# Altium PCB nixi_tube.PcbDoc (part 2 of 3)
Units mm, origin at the board's own origin, x right, y up, seen from the top; angles counter-clockwise.
Board outline 147 x 65 mm, 2 copper layers (Top Layer, Bottom Layer), stack 1.569 mm thick; 87 components, 111 nets, 363 pads, 194 vias.
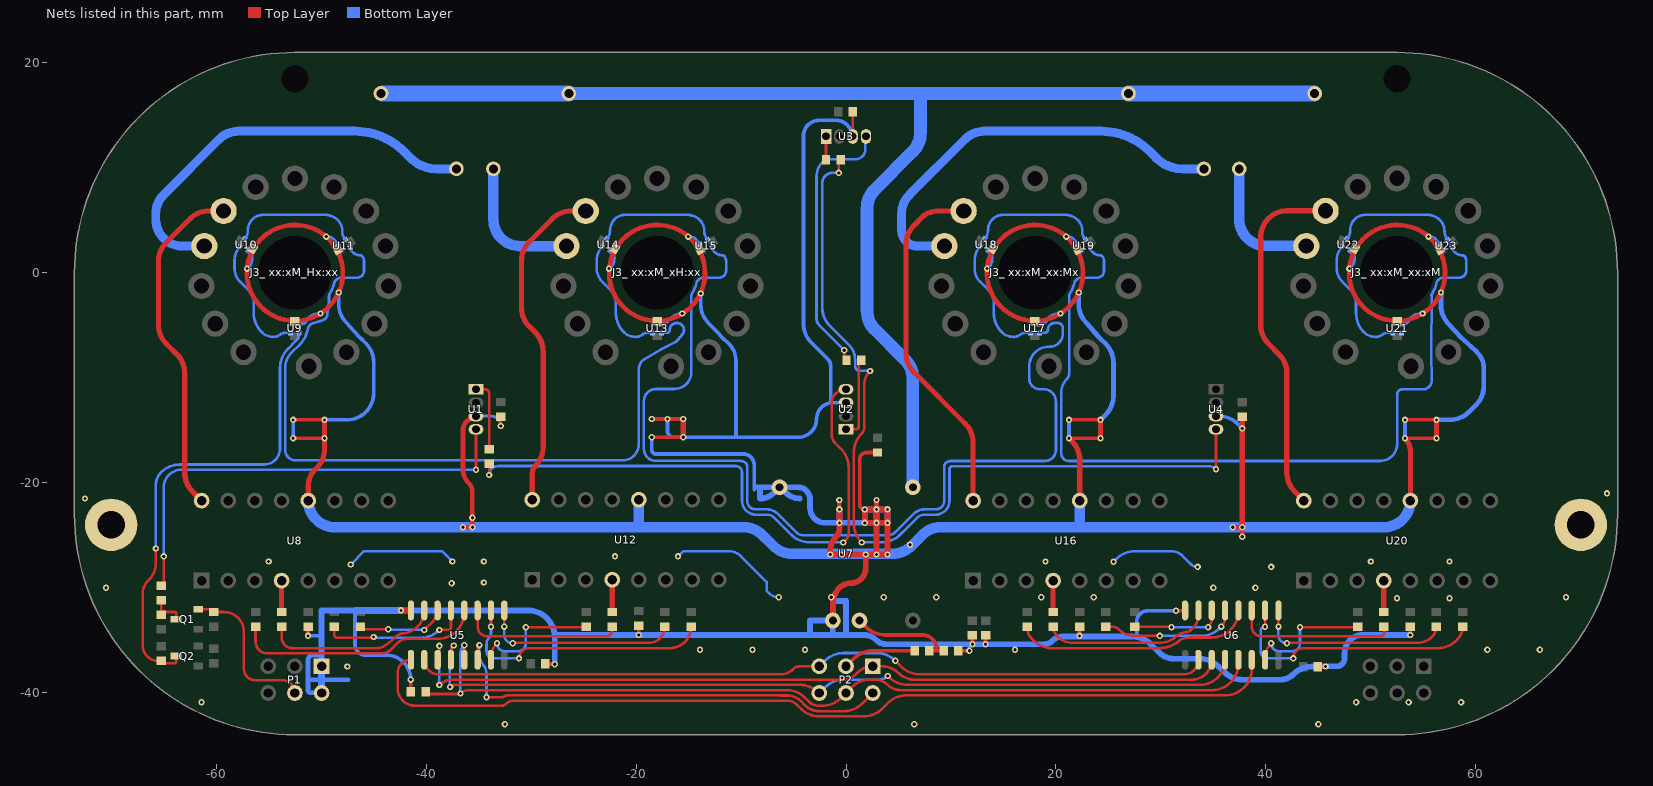
[diagram p2: the nets of this part, all layers, seen from the top]

## Via types
v1: diameter 0.6, hole 0.3, Top Layer to Bottom Layer, 194 vias

## Nets (pads, with @x,y where several pads share a name; then routed paths per layer and width w, separated by ;. In a path a pad name is that pad's centre, name@x,y a point inside that pad or via, vN(x,y) a via of type N, cw(c..) or ccw(c..) an arc to the next point about the centre after c; other vN are vias at no path point) (continued)
D9_Hx:xx: "J3_ xx:xM_Hx:xx.5" U8.16 | length 32.8
  Top Layer w0.5: U8.16@-61.39,-21.69 -62.256,-20.824 cw(c-60.46,-19.028) -63,-19.028 -63,-9.552 ccw(c-65.54,-9.552) -63.744,-7.756 -64.756,-6.744 cw(c-62.96,-4.948) -65.5,-4.948 -65.5,1.1 cw(c-62.96,1.1) -64.756,2.896 -62.491,5.161 cw(c-60.695,3.365) -60.695,5.905 -59.292,5.905
D9_xH:xx: "J3_ xx:xM_xH:xx.5" U12.16 | length 32.2
  Top Layer w0.5: U12.16@-29.89,-21.602 -29.89,-19.094 cw(c-28.879,-19.094) -29.594,-18.38 ccw(c-31.39,-16.584) -29.06,-17.595 ccw(c-31.39,-16.584) -28.85,-16.584 -28.85,-7.483 ccw(c-31.39,-7.483) -29.594,-5.687 -30.169,-5.112 cw(c-28.373,-3.316) -30.913,-3.316 -30.913,1.169 cw(c-28.373,1.169) -30.169,2.965 -27.973,5.161 cw(c-26.177,3.365) -26.177,5.905 -24.792,5.905
D9_xx:Mx: "J3_ xx:xM_xx:Mx.5" U16.16 | length 34.1
  Top Layer w0.5: 11.208,5.905 8.851,5.905 ccw(c8.851,3.365) 7.395,5.446 6.467,4.517 ccw(c8.263,2.721) 5.723,2.721 5.723,-7.671 ccw(c8.263,-7.671) 5.825,-8.383 ccw(c8.263,-7.671) 6.153,-9.085 ccw(c8.263,-7.671) 6.466,-9.466 ccw(c8.263,-7.671) 6.467,-9.467 11.366,-14.366 cw(c9.57,-16.162) 12.11,-16.162 U16.16@12.11,-21.69
D9_xx:xM: "J3_ xx:xM_xx:xM.5" U20.16 | length 34.1
  Top Layer w0.5: U20.16@43.61,-21.69 42.744,-20.824 cw(c44.54,-19.028) 42,-19.028 42,-9.552 ccw(c39.46,-9.552) 41.256,-7.756 40.244,-6.744 cw(c42.04,-4.948) 39.5,-4.948 39.5,3.379 cw(c42.04,3.379) 42.04,5.919 45.692,5.919
D_Hx:xx: R17.1 U8.4 | length 3
  Top Layer w0.5: U8.4@-53.77,-29.31 -53.77,-32.252 ccw(c-53.702,-32.252) R17.1@-53.75,-32.3
D_xH:xx: R12.1 U12.4 | length 3
  Top Layer w0.5: U12.4@-22.27,-29.222 -22.27,-32.163 ccw(c-22.202,-32.163) R12.1@-22.25,-32.212
D_xx:Mx: R25.1 U16.4 | length 3
  Top Layer w0.5: U16.4@19.73,-29.31 19.73,-32.252 ccw(c19.798,-32.252) R25.1@19.75,-32.3
D_xx:xM: R21.1 U20.4 | length 3
  Top Layer w0.5: U20.4@51.23,-29.31 51.23,-32.252 ccw(c51.298,-32.252) R21.1@51.25,-32.3
FRONT_LIGHT_DATA: P1.4 Q1.2 R1.2 | length 14.9
  Top Layer w0.25: Q1.2@-61.713,-32.05 R1.2@-60.5,-32.05 ; R1.2@-60.25,-32.3 -59.267,-32.3 cw(c-59.267,-34.204) -57.362,-34.204 -57.362,-37.777 ccw(c-56.31,-37.736) -56.31,-38.789 -53.731,-38.789 cw(c-53.731,-40.02) P1.4@-52.5,-40.02
GND: C1.2 C2.2 C3.2 C4.2 C5.1 C6.1 C7.1 C8.1 C9.1 C10.1 C11.1 C12.1 C13.1 C14.1 C15.1 C16.1 C17.1 C18.1 C19.1 C20.1 C21.1 C22.1 C23.1 C24.1 P1.1 P1.2 pad.hole@70,-24 pad.hole@-70,-24 R13.2 R26.1 U1.3 U2.3 U3.3 U4.3 U5.8 U6.8 U7.3 U7.4 U8.12 U9.3 U10.3 U11.3 U12.12 U13.3 U14.3 U15.3 U16.12 U17.3 U18.3 U19.3 U20.12 U21.3 U22.3 U23.3 | length 741.8
  Top Layer w0.25: v1(-32.89,-14.584) C1.2@-32.89,-13.693 ; U3.3@0.58,13 ccw(c0.58,13.065) 0.645,13.065 C3.2@0.645,15.365
  Top Layer w0.35: v1(-52.672,-15.75) v1(-49.672,-15.75) ; v1(-52.672,-14) v1(-49.672,-14) ; v1(-51.25,-34.575) C9.1@-51.25,-33.7 ; v1(-41.466,-38.75) cw(c-41.505,-38.789) -41.45,-38.789 R13.2@-41.45,-39.901 ; C5.1@-28.65,-37.25 -27.812,-37.25 cw(c-27.812,-37.338) v1(-27.75,-37.276) ; v1(-19.75,-34.487) C13.1@-19.75,-33.611 ; v1(-18.5,-15.662) v1(-15.5,-15.662) ; v1(-17.005,-13.912) v1(-18.5,-13.912) v1(-15.5,-13.912) ; v1(1.788,-22.532) cw(c1.788,-22.045) 1.3,-22.045 1.3,-17.771 cw(c1.958,-17.771) 1.958,-17.113 C2.2@3,-17.113 ; R26.1@10.7,-36 v1(11.75,-36) ; v1(12.046,-35.371) C8.1@12.046,-34.536 ; v1(13.296,-35.371) C7.1@13.296,-34.536 ; v1(21.25,-15.75) v1(24.25,-15.75) ; v1(21.25,-14) v1(24.25,-14) ; v1(22.25,-34.575) C17.1@22.25,-33.7 ; v1(31.429,-32.19) 32.209,-32.19 ccw(c32.209,-32.053) U6.8@32.305,-32.15 ; C6.1@44.95,-37.5 v1(45.692,-37.5) ; v1(53.25,-15.75) v1(56.25,-15.75) ; v1(53.25,-14) v1(56.25,-14) ; v1(53.75,-34.487) C21.1@53.75,-33.611
  Top Layer w0.45: v1(-36.495,-24.23) v1(-35.595,-24.23) v1(-35.595,-23.33) -35.595,-20.867 ccw(c-36.8,-20.867) -35.948,-20.016 cw(c-34.628,-18.696) -36.495,-18.696 -36.495,-15.021 cw(c-35.245,-15.021) U1.3@-35.245,-13.771 ; v1(-0.631,-22.526) v1(-0.631,-21.626) ; v1(2.912,-22.526) v1(2.912,-21.626) ; v1(36.85,-24.23) v1(37.75,-24.23) v1(37.75,-25.13) ; -48.186,-1.506 ccw(c-52.5,0) -47.931,0 ccw(c-52.5,0) -48.186,-1.506 ; -13.686,-1.506 cw(c-18,0) -13.431,0 cw(c-18,0) -13.686,-1.506 ; 22.314,-1.506 cw(c18,0) 22.569,0 cw(c18,0) 22.314,-1.506 ; 56.814,-1.506 ccw(c52.5,0) 57.069,0 ccw(c52.5,0) 56.814,-1.506
  Top Layer w0.5: U8.12@-51.23,-21.69 -51.23,-20.299 cw(c-49.04,-20.299) -50.589,-18.75 -50.416,-18.577 ccw(c-52.212,-16.781) -49.672,-16.781 v1(-49.672,-15.75) v1(-49.672,-14) ; v1(-15.5,-15.662) v1(-15.5,-13.912) ; v1(21.25,-15.75) 21.526,-16.026 cw(c19.73,-17.822) 22.27,-17.822 U16.12@22.27,-21.69 ; v1(24.25,-15.75) v1(24.25,-14) ; v1(37.75,-24.23) C4.2@37.75,-13.715 ; v1(53.25,-15.75) cw(c51.995,-17.005) 53.77,-17.005 U20.12@53.77,-21.67 ; v1(56.25,-15.75) v1(56.25,-14)
  Top Layer w0.55: v1(-42.385,-32.15) U5.8@-41.445,-32.15 ; U7.3@-1.25,-33.116 -1.25,-31.511 -1.25,-31.508 cw(c0.883,-31.508) -0.625,-30 cw(c0.431,-31.057) 0.431,-29.562 ccw(c0.431,-28.117) 1.877,-28.117 v1(1.877,-26.822) ; v1(-0.631,-22.526) v1(-0.631,-23.81) -0.631,-24.326 cw(c-1.89,-24.326) -1,-25.216 ccw(c0.207,-26.423) -1.5,-26.423 v1(-1.5,-26.822) v1(-0.464,-26.822) v1(1.877,-26.822) ; v1(1.877,-26.822) v1(2.912,-26.822) ; v1(2.912,-26.822) v1(3.948,-26.822) v1(3.948,-23.81) ; v1(2.912,-26.822) v1(2.912,-23.81) ; v1(2.912,-23.81) v1(3.948,-23.81) ; v1(2.912,-23.81) v1(1.788,-23.81) v1(1.788,-22.532) 1.794,-22.526 v1(2.912,-22.526) ; v1(2.912,-23.81) v1(2.912,-22.526) ; v1(2.912,-22.526) v1(3.948,-22.526) v1(3.948,-23.81)
  Bottom Layer w0.25: v1(-47.18,-27.769) -45.911,-26.5 -38.5,-26.5 v1(-37.5,-27.5) ; U1.3@-35.255,-13.628 -33.847,-13.628 cw(c-33.847,-14.584) v1(-32.89,-14.584) ; v1(-16,-27) -15.5,-26.5 -11.196,-26.5 cw(c-11.196,-28.207) -9.989,-27 -7.552,-29.437 -7.552,-30.3 -7.343,-30.51 ccw(c-6.4,-29.567) v1(-6.4,-30.9) ; v1(25.479,-27.522) 25.757,-27.244 cw(c27.553,-29.04) 27.553,-26.5 31,-26.5 cw(c31,-27.949) 32.024,-26.924 32.817,-27.717 ccw(c33.5,-27.034) v1(33.5,-28)
  Bottom Layer w0.3: U13.3@-17.598,-4.868 U13.3@-17.575,-4.868 -17.548,-4.867 U13.3@-17.546,-4.867 ; U13.3@-17.575,-4.868 -17.525,-4.867 -17.524,-4.867 ccw(c-17.575,-3.905) -17.184,-4.785 ccw(c-17.328,-4.466) -17.053,-4.683 cw(c-16.089,-5.438) -16.991,-4.61 cw(c-16.089,-5.438) -16.92,-4.539 ccw(c-17.159,-4.283) -16.913,-4.532 -16.733,-4.351 cw(c-15.571,-5.512) v1@-15.571,-3.87
  Bottom Layer w0.35: v1(-57.051,0.409) -56.998,0.462 ccw(c-57.958,1.423) -56.6,1.423 ccw(c-57.479,1.423) -56.858,2.045 ccw(c-56.978,1.925) U10.3@-56.978,2.094 ; v1@-52.658,-15.674 v1@-52.658,-14 ; U9.3@-52.075,-4.868 -52.025,-4.867 -52.024,-4.867 ccw(c-52.075,-3.905) -51.684,-4.785 ccw(c-51.828,-4.466) -51.553,-4.683 cw(c-50.589,-5.438) -51.491,-4.61 cw(c-50.589,-5.438) -51.42,-4.539 ccw(c-51.659,-4.283) -51.413,-4.532 -51.233,-4.351 cw(c-50.071,-5.512) v1(-50.071,-3.87) ; v1(-51.25,-34.575) -50.173,-34.575 ccw(c-50.173,-34.273) -49.96,-34.487 ; v1(-49.672,-14) -47.54,-14 ccw(c-47.54,-11.46) -45,-11.46 -45,-8.509 ccw(c-47.54,-8.509) -45.744,-6.712 ccw(c-47.54,-8.509) -45.746,-6.711 ccw(c-45.993,-6.958) -45.748,-6.708 -46.255,-6.212 cw(c-44.909,-4.836) -46.388,-6.068 -47.57,-4.76 ccw(c-47.83,-4.995) -47.582,-4.748 -47.584,-4.746 cw(c-45.787,-2.95) -48.327,-2.95 v1(-48.327,-1.862) ; v1(-49.511,3.456) cw(c-49.511,2.484) -48.824,3.171 U11.3@-48.415,2.763 ; -46.769,-32.15 -46.769,-35.423 ccw(c-45.787,-35.423) -45.787,-36.405 -43.812,-36.405 cw(c-43.812,-38.75) v1(-41.466,-38.75) ; v1@-22.551,0.409 -22.498,0.462 ccw(c-23.458,1.423) -22.1,1.423 ccw(c-22.979,1.423) -22.358,2.045 ccw(c-22.478,1.925) U14.3@-22.478,2.094 ; v1(-18.5,-15.662) -18.5,-16.86 ccw(c-18.11,-16.86) -18.11,-17.25 -17.452,-17.25 cw(c-17.453,-17.6) -17.422,-17.251 ccw(c-17.329,-16.25) -17.329,-17.256 -15.708,-17.256 ; v1(-17.005,-13.912) -17.005,-15.058 ccw(c-16.401,-15.058) -16.401,-15.662 v1(-15.5,-15.662) -10.478,-15.662 ; -15.667,-17.258 ccw(c-15.71,-17.606) -15.708,-17.256 ; v1@-15.011,3.456 cw(c-15.011,2.484) -14.324,3.171 U15.3@-13.915,2.763 ; v1(-13.833,-1.953) -13.833,-3.008 ccw(c-11.293,-3.008) -13.089,-4.804 -12.264,-5.629 ; -12.264,-5.63 cw(c-12.511,-5.877) -12.245,-5.65 -11.874,-6.085 ccw(c-10.409,-4.836) -11.666,-6.294 -11.192,-6.703 cw(c-11.42,-6.968) -11.174,-6.719 cw(c-12.846,-8.397) -11.171,-6.722 cw(c-12.846,-8.397) -10.478,-8.397 -10.478,-15.662 ; -8.521,-20.416 ccw(c-8.521,-20.641) -8.746,-20.641 -8.746,-18.303 ccw(c-9.799,-18.303) -9.667,-17.258 -9.667,-17.256 -15.708,-17.256 ; -1.457,-12.384 -1.457,-12.378 ; U2.3@0,-12.365 -1.258,-12.365 ccw(c-1.258,-13.912) -1.457,-12.378 ; U3.3@0.58,13 ccw(c-0.953,13) -0.953,14.533 -2.555,14.533 ccw(c-2.555,13.033) -4.055,13.033 -4.055,-4.833 ccw(c-1.515,-4.833) -3.311,-6.629 -1.756,-8.184 cw(c-2.478,-8.906) -1.457,-8.906 -1.457,-12.378 ; 11.686,-35.371 cw(c11.532,-35.525) 11.75,-35.525 v1(11.75,-36) ; v1(13.449,0.409) 13.502,0.462 ccw(c12.542,1.423) 13.9,1.423 ccw(c13.021,1.423) 13.642,2.045 ccw(c13.522,1.925) U18.3@13.522,2.094 ; U17.3@18.425,-4.868 18.475,-4.867 18.476,-4.867 ccw(c18.425,-3.905) 18.816,-4.785 ccw(c18.672,-4.466) 18.947,-4.683 cw(c19.911,-5.438) 19.009,-4.61 cw(c19.911,-5.438) 19.08,-4.539 ccw(c18.841,-4.283) 19.087,-4.532 19.267,-4.351 cw(c20.429,-5.512) v1(20.429,-3.87) ; v1(20.989,3.456) cw(c20.989,2.484) 21.676,3.171 U19.3@22.085,2.763 ; v1(21.25,-15.75) v1(21.25,-14) v1@21.257,-13.993 ; 27.691,-34.679 27.691,-33.246 cw(c28.746,-33.246) 28,-32.5 cw(c28.748,-33.248) 28.748,-32.19 v1(31.429,-32.19) ; U4.3@35.25,-13.65 35.536,-13.65 cw(c35.536,-16.19) 37.332,-14.394 v1(37.75,-14.812) ; v1(47.956,0.409) 48.009,0.462 ccw(c47.048,1.423) 48.406,1.423 ccw(c47.527,1.423) 48.149,2.045 ccw(c48.029,1.925) U22.3@48.029,2.094 ; U21.3@52.931,-4.868 52.981,-4.867 52.983,-4.867 ccw(c52.931,-3.905) 53.322,-4.785 ccw(c53.179,-4.466) 53.453,-4.683 cw(c54.418,-5.438) 53.515,-4.61 cw(c54.418,-5.438) 53.586,-4.539 ccw(c53.347,-4.283) 53.594,-4.532 53.774,-4.351 cw(c54.935,-5.512) v1(54.935,-3.87) ; v1(53.25,-15.75) v1(53.25,-14) v1@53.257,-13.993 ; v1(55.495,3.456) cw(c55.495,2.484) 56.182,3.171 U23.3@56.591,2.763 ; -10.478,-15.662 -4.555,-15.662 ccw(c-4.555,-13.912) -2.805,-13.912 cw(c-1.258,-13.912) -1.457,-12.378
  Bottom Layer w0.45: P1.2@-49.96,-40.02 ccw(c-49.98,-40.02) -49.98,-40 -51,-40 cw(c-51,-39.75) -51.25,-39.75 -51.25,-38.75 ; -49.96,-36.085 cw(c-50.28,-36.085) -50.28,-36.405 -50.75,-36.405 ccw(c-50.75,-36.905) -51.25,-36.905 -51.25,-38.75 ; -47.42,-38.75 -49.96,-38.75 -51.25,-38.75 ; v1(22.173,-1.862) 22.173,-2.973 ccw(c24.713,-2.973) 22.916,-4.769 cw(c22.598,-5.086) 22.937,-4.791 24.064,-6.089 ccw(c25.591,-4.836) 24.212,-6.25 24.729,-6.754 cw(c24.415,-7.077) 24.733,-6.758 cw(c22.939,-8.556) 24.735,-6.76 cw(c22.939,-8.556) 25.479,-8.556 25.479,-11.719 cw(c22.939,-11.719) 24.735,-13.515 v1(24.25,-14) ; v1(56.25,-14) 57.529,-14 ccw(c57.529,-11.46) 59.326,-13.256 60.074,-12.507 ccw(c58.444,-10.876) 60.75,-10.876 60.75,-9 ccw(c58.814,-9) 60.183,-7.631 60.074,-7.522 58.727,-6.266 cw(c60.074,-4.822) 58.628,-6.167 57.434,-4.882 ccw(c57.104,-5.188) 57.423,-4.871 cw(c59.219,-3.075) 56.679,-3.075 v1(56.679,-1.862)
  Bottom Layer w0.55: P1.1@-49.96,-37.48 -49.96,-34.487 -49.96,-32.15 -46.769,-32.15 ; v1(-42.385,-32.15) -30.29,-32.15 cw(c-30.29,-34.69) -27.75,-34.69 ; v1(-27.75,-37.276) -27.75,-34.69 ; -8.521,-20.416 -8.14,-20.416 ; U7.4@-6.605,-20.641 U7.4@-6.555,-20.641 ; U7.4@-6.33,-20.641 U7.4@-6.555,-20.641 ; U7.4@-6.047,-20.629 -5.744,-20.931 ccw(c-4.402,-19.589) -4.402,-21.487 ; U7.3@-1.258,-33.125 -1.258,-34.487 ; v1(-0.631,-22.526) v1(-0.631,-23.81) ; v1(2.912,-22.526) v1@2.912,-22.532 ; v1(53.75,-34.487) 49.23,-34.487 ccw(c49.23,-36.217) 47.5,-36.217 47.5,-36.717 cw(c46.737,-36.717) 46.737,-37.48 44.455,-37.48 ccw(c44.455,-37.548) 44.406,-37.5 ccw(c44.406,-40.04) 42.61,-38.244 42.604,-38.25 cw(c41.397,-37.043) 41.397,-38.75 37.802,-38.75 cw(c37.802,-36.21) 36.006,-38.006 35.494,-37.494 ccw(c33.698,-39.29) 33.698,-36.75 31.194,-36.75 cw(c31.194,-34.906) 29.89,-36.21 29.068,-35.388 ccw(c27.272,-37.184) 27.691,-34.679 ccw(c27.272,-37.184) 27.272,-34.644 20.588,-34.644 ccw(c20.588,-35.858) 19.73,-35 cw(c18.834,-34.104) 18.834,-35.371 v1(13.296,-35.371) v1(12.046,-35.371) 11.686,-35.371 3.809,-35.371 cw(c3.809,-34.104) 2.912,-35 ccw(c1.673,-36.239) 1.673,-34.487 0,-34.487 ; -27.75,-34.69 cw(c-27.547,-34.69) -27.547,-34.487 v1(-19.75,-34.487) -3.422,-34.487 ; -8.14,-20.416 ccw(c-7.994,-20.562) -8.2,-20.562 -8.2,-21.5 ccw(c-8.2,-19.602) -6.858,-20.944 U7.4@-6.555,-20.641 ; -8.14,-20.416 U7.4@-6.33,-20.416 ; U7.4@-6.555,-20.641 U7.4@-6.33,-20.416 ; U7.4@-6.33,-20.416 -4.59,-20.416 cw(c-4.59,-21.584) -3.422,-21.584 -3.422,-22.388 ccw(c-2,-22.388) -2,-23.81 v1(-0.631,-23.81) ; -3.422,-34.487 -1.258,-34.487 ; -3.422,-34.487 -3.422,-33.116 U7.3@-1.25,-33.116 ccw(c-1.318,-33.048) -1.222,-33.048 -1.222,-31.25 0.015,-31.25 ccw(c0.052,-31.287) 0,-31.287 0,-34.487 ; -1.258,-34.487 0,-34.487 ; v1(-0.631,-23.81) v1(1.788,-23.81) ; v1(1.788,-23.81) v1(1.788,-22.532) v1@2.912,-22.532 ; v1(1.788,-23.81) v1(2.912,-23.81) ; v1(2.912,-23.81) v1@2.912,-22.532 ; v1(2.912,-23.81) v1(3.948,-23.81) v1(3.948,-22.526) 3.941,-22.532 v1@2.912,-22.532
  Bottom Layer w0.65: P1.2@-49.96,-40.02 -49.96,-38.75 P1.1@-49.96,-37.48 ; -46.769,-32.15 v1(-42.385,-32.15)
  Bottom Layer w1: U8.12@-51.23,-21.67 U8.12@-51.23,-21.69 ccw(c-48.69,-21.69) -48.69,-24.23 v1(-36.495,-24.23) v1(-35.595,-24.23) -19.73,-24.23 ; U12.12@-19.73,-21.758 -19.73,-24.23 ; U16.12@22.27,-21.67 U16.12@22.27,-21.69 22.27,-24.23 ; U20.12@53.77,-21.67 U20.12@53.77,-21.69 cw(c51.23,-21.69) 51.23,-24.23 v1(37.75,-24.23) v1(36.85,-24.23) 22.27,-24.23 ; -19.73,-24.23 -9.749,-24.23 cw(c-9.749,-26.77) -7.953,-24.974 -7.232,-25.696 ; -7.232,-25.696 -7.225,-25.702 ; -7.232,-25.696 -7.23,-25.697 ccw(c-5.341,-23.81) -7.225,-25.702 ; -7.225,-25.702 -6.901,-26.026 ccw(c-5.105,-24.23) -5.105,-26.77 4.405,-26.77 ccw(c4.405,-24.23) 6.201,-26.026 7.253,-24.974 cw(c9.05,-26.77) 9.05,-24.23 22.27,-24.23
  other v1: -32.5,-43 6.5,-43 45,-43 -61.4,-40.9 48.6,-40.9 53.6,-40.9 58.6,-40.9 -47.5,-37.5 -13.9,-35.9 -8.9,-35.9 -3.9,-35.9 16.1,-35.9 61.1,-35.9 66.1,-35.9 52.5,-31 57.5,-31 -1.4,-30.9 3.6,-30.9 8.6,-30.9 18.6,-30.9 23.6,-30.9 68.6,-30.9 -70.5,-30 35,-30 39,-30 -37.572,-29.561 -34.5,-29.5 40.5,-28 -55,-27.5 -34.5,-27.5 19,-27.5 50,-27.5 57.5,-27.5 -22,-27 6.1,-25.9 -72.5,-21.5 72.5,-21 -15.594,-3.87 -22.573,0.409 -15.034,3.456
HV: R27.2 R28.2 R29.2 R30.2 U7.5 | length 129.7
  Bottom Layer w1.2: R28.2@-26.408,17.092 7.095,17.092 ; U7.5@6.37,-20.416 6.37,-10.067 ccw(c3.83,-10.067) 5.626,-8.271 2.648,-5.293 cw(c4.54,-3.598) 2,-3.598 2,6.142 cw(c4.54,6.142) 2.744,7.938 6.351,11.545 ccw(c4.555,13.342) 7.095,13.342 7.095,17.092 ; R29.2@26.908,17.092 7.095,17.092
  Bottom Layer w1.5: R27.2@-44.147,17.092 R28.2@-26.408,17.092 ; R29.2@26.908,17.092 R30.2@44.592,17.092
HV_ENABLE: R26.2 R31.1 U7.2 | length 10.1
  Top Layer w0.35: U7.2@1.29,-33.116 1.916,-33.743 ccw(c3.712,-31.947) 3.712,-34.487 7.251,-34.487 cw(c7.251,-35.899) 8.25,-34.9 cw(c7.345,-35.805) 8.625,-35.805 8.625,-36 ; R31.1@7.95,-36 8.625,-36 ; R26.2@9.3,-36 8.625,-36
LED_DATA_OUT_Hx:xx: U11.2 U13.4 | length 75.6
  Bottom Layer w0.25: U11.2@-47.254,2.452 ccw(c-46.769,2.452) -47.112,2.109 -46.918,1.915 ccw(c-46.4,2.433) -46.4,1.7 -46.341,1.7 cw(c-46.341,1.359) -46.1,1.6 cw(c-46.532,1.168) -45.921,1.168 -45.921,0.2 cw(c-46.574,0.2) -46.574,-0.453 -48.047,-0.453 ccw(c-48.047,-1.232) -48.333,-0.508 ccw(c-48.047,-1.232) -48.687,-0.788 ccw(c-48.481,-0.93) -48.724,-0.872 cw(c-52.5,0) -48.826,-1.232 cw(c-52.5,0) -48.943,-1.537 ccw(c-48.713,-1.635) -48.947,-1.546 cw(c-52.523,0.014) -49.208,-2.044 ccw(c-48.995,-2.175) -49.243,-2.14 ccw(c-48.436,-2.25) -49.25,-2.25 -49.25,-2.709 cw(c-49.5,-2.709) -49.252,-2.74 -49.401,-3.953 cw(c-50.071,-3.87) -49.856,-4.51 -50.071,-4.583 -50.779,-4.79 ccw(c-50.589,-5.438) -51.232,-5.234 -51.493,-6.056 cw(c-51.85,-5.943) -51.543,-6.159 -51.854,-6.601 cw(c-53.111,-5.718) -51.922,-6.691 cw(c-53.111,-5.718) -52.026,-6.805 -52.824,-7.603 ccw(c-51.382,-9.046) -53.422,-9.046 -53.422,-16.878 ccw(c-52.441,-16.878) -52.441,-17.859 -21.272,-17.859 ccw(c-21.272,-16.336) -19.75,-16.336 -19.75,-9.226 cw(c-18.486,-9.224) -19.38,-8.33 -17.627,-7.289 cw(c-16.67,-8.901) -17.507,-7.223 -16.288,-6.616 ccw(c-16.534,-6.123) -16.145,-6.512 -16.068,-6.436 ccw(c-16.456,-6.046) -16.035,-6.399 -15.594,-5.872 ccw(c-16.111,-5.438) -16.033,-4.768 -16.058,-4.765 cw(c-16.057,-4.515) -16.07,-4.764 ccw(c-16.111,-5.438) -16.738,-5.187 ccw(c-16.111,-5.438) -16.766,-5.275 ccw(c-16.111,-5.438) -16.786,-5.445 cw(c-17.036,-5.447) -16.845,-5.608 cw(c-17.11,-5.344) -17.11,-5.718 U13.4@-17.575,-5.718 U13.4@-17.598,-5.718
LED_DATA_OUT_xH:xx: U15.2 U17.4 | length 94.1
  Bottom Layer w0.25: -14.75,-2.25 cw(c-13.936,-2.25) -14.743,-2.14 cw(c-14.495,-2.175) -14.708,-2.044 ccw(c-18.023,0.014) -14.447,-1.546 cw(c-14.213,-1.635) -14.443,-1.537 ccw(c-18,0) -14.326,-1.232 ccw(c-18,0) -14.224,-0.872 cw(c-13.981,-0.93) -14.187,-0.788 cw(c-13.547,-1.232) -13.833,-0.508 cw(c-13.547,-1.232) -13.547,-0.453 -12.074,-0.453 ccw(c-12.074,0.2) -11.421,0.2 -11.421,1.168 ccw(c-12.032,1.168) -11.6,1.6 ccw(c-11.841,1.359) -11.841,1.7 -11.9,1.7 cw(c-11.9,2.433) -12.418,1.915 -12.612,2.109 cw(c-12.269,2.452) U15.2@-12.754,2.452 ; -14.744,-2.323 -14.744,-9.441 cw(c-16.358,-9.441) -16.358,-11.054 -18.11,-11.054 ccw(c-18.11,-12.194) -19.25,-12.194 -19.25,-16.778 ccw(c-18.128,-16.778) -18.128,-17.9 -10.478,-17.9 cw(c-10.478,-18.4) -10.457,-17.9 -9.989,-17.918 cw(c-9.989,-18.5) -9.407,-18.5 -9.407,-21.716 ccw(c-8.597,-21.716) -8.597,-22.526 -7.552,-22.526 cw(c-7.552,-24.062) -6.466,-22.976 -4.754,-24.688 ccw(c-4,-23.933) -4,-25 3.948,-25 ccw(c3.948,-23.933) 4.702,-24.688 6.414,-22.976 ; 6.414,-22.976 cw(c7.5,-24.062) 7.5,-22.526 8.545,-22.526 ccw(c8.545,-21.716) 9.355,-21.716 9.355,-18.5 cw(c9.937,-18.5) 9.937,-17.918 18.961,-17.918 ccw(c18.961,-16.879) 20,-16.879 20,-12.266 ccw(c18.804,-12.266) 18.804,-11.07 18.451,-11.07 cw(c18.451,-10.087) 17.467,-10.087 17.455,-8.921 cw(c19.33,-8.901) 19.383,-7.027 cw(c19.33,-8.901) 19.385,-7.027 ccw(c19.396,-5.763) 20.66,-5.763 20.66,-5.279 ccw(c20.146,-5.279) 20.146,-4.765 19.964,-4.765 cw(c19.965,-4.515) 19.952,-4.764 ccw(c19.911,-5.438) 19.285,-5.187 ccw(c19.911,-5.438) 19.256,-5.275 ccw(c19.911,-5.438) 19.236,-5.445 cw(c18.986,-5.447) 19.177,-5.608 cw(c18.913,-5.344) 18.913,-5.718 U17.4@18.425,-5.718
LED_DATA_OUT_xx:Mx: U19.2 U23.2 | length 80.9
  Bottom Layer w0.25: U19.2@23.246,2.452 ccw(c23.731,2.452) 23.388,2.109 23.582,1.915 ccw(c24.1,2.433) 24.1,1.7 24.159,1.7 cw(c24.159,1.359) 24.4,1.6 cw(c23.968,1.168) 24.579,1.168 24.579,0.2 cw(c23.926,0.2) 23.926,-0.453 22.453,-0.453 ccw(c22.453,-1.232) 22.167,-0.508 ccw(c22.453,-1.232) 21.813,-0.788 ccw(c22.019,-0.93) 21.776,-0.872 cw(c18,0) 21.674,-1.232 cw(c18,0) 21.557,-1.537 ccw(c21.787,-1.635) 21.553,-1.546 cw(c17.977,0.014) 21.292,-2.044 ccw(c21.505,-2.175) 21.257,-2.14 21.257,-9.61 cw(c20.579,-9.61) 21.059,-10.09 ccw(c22.407,-11.438) 20.5,-11.438 20.5,-17.168 ccw(c21.25,-17.168) 21.25,-17.918 50.881,-17.918 ccw(c50.881,-16.299) 52.5,-16.299 52.5,-11.578 cw(c52.983,-11.578) 52.983,-11.095 54.953,-11.095 ccw(c54.953,-10.25) 55.798,-10.25 ccw(c55.548,-10.25) 55.798,-10.247 55.761,-7.557 cw(c57.386,-7.534) 55.761,-7.522 55.798,-2.268 ; 55.798,-2.268 55.798,-2.174 ccw(c55.764,-2.174) 55.764,-2.14 cw(c56.012,-2.175) 55.798,-2.044 ccw(c52.484,0.014) 56.06,-1.546 cw(c56.294,-1.635) 56.064,-1.537 ccw(c52.506,0) 56.18,-1.232 ccw(c52.506,0) 56.282,-0.872 cw(c56.525,-0.93) 56.319,-0.788 cw(c56.959,-1.232) 56.674,-0.508 cw(c56.959,-1.232) 56.959,-0.453 58.432,-0.453 ccw(c58.432,0.2) 59.086,0.2 59.086,1.168 ccw(c58.474,1.168) 58.906,1.6 ccw(c58.665,1.359) 58.665,1.7 58.606,1.7 cw(c58.606,2.433) 58.088,1.915 57.894,2.109 cw(c58.237,2.452) U23.2@57.752,2.452
"NetJ3_ xx:xM_Hx:xx_4": "J3_ xx:xM_Hx:xx.4" R27.1 | length 40.1
  Bottom Layer w0.85: -61.129,2.556 -63.216,2.556 cw(c-63.216,5.096) -65.756,5.096 -65.756,5.64 cw(c-63.216,5.64) -65.012,7.436 -59.692,12.756 cw(c-57.896,10.96) -57.896,13.5 -46.764,13.5 cw(c-46.764,6.923) -42.114,11.574 -41.503,10.963 ccw(c-38.96,13.5) -38.96,9.908 -38.958,9.908 R27.1@-36.963,9.908
"NetJ3_ xx:xM_xH:xx_4": "J3_ xx:xM_xH:xx.4" R28.1 | length 13.2
  Bottom Layer w1: R28.1@-33.592,9.908 -33.592,5.096 ccw(c-31.052,5.096) -31.052,2.556 -26.629,2.556
"NetJ3_ xx:xM_xx:Mx_4": "J3_ xx:xM_xx:Mx.4" R29.1 | length 40
  Bottom Layer w0.85: 9.371,2.556 6.817,2.556 cw(c6.817,4.074) 5.299,4.074 5.299,5.64 cw(c7.839,5.64) 6.043,7.436 11.363,12.756 cw(c13.159,10.96) 13.159,13.5 24.291,13.5 cw(c24.291,6.923) 28.941,11.574 29.552,10.963 ccw(c32.095,13.5) 32.095,9.908 32.097,9.908 R29.1@34.092,9.908
"NetJ3_ xx:xM_xx:xM_4": "J3_ xx:xM_xx:xM.4" R30.1 | length 12.6
  Bottom Layer w1: R30.1@37.463,9.908 37.463,5.11 ccw(c40.003,5.11) 40.003,2.57 43.855,2.57
NetP2_3: P2.3 R31.2 | length 7.1
  Top Layer w0.35: P2.3@0,-37.48 0.736,-36.744 cw(c2.532,-38.54) 2.532,-36 R31.2@6.55,-36
NetQ1_3: Q1.3 R2.2 R6.2 | length 3.2
  Top Layer w0.25: R2.2@-65.3,-32.5 cw(c-65.3,-32.55) R2.2@-65.25,-32.55 R6.2@-65.25,-31.2 ; R2.2@-65,-32.3 -64,-32.3 cw(c-64,-32.513) -63.788,-32.513 Q1.3@-63.788,-33
NetQ2_3: Q2.3 R8.2 U9.4 | length 45.8
  Top Layer w0.25: v1(-65.75,-26.25) -65.75,-27.693 cw(c-67.894,-27.693) -65.844,-28.322 cw(c-67.894,-27.693) -66.076,-28.829 cw(c-67.894,-27.693) -66.377,-29.208 cw(c-67.894,-27.693) -66.378,-29.209 -66.506,-29.337 ccw(c-65.314,-30.53) -67,-30.53 -67,-35.497 ccw(c-65.547,-35.497) -66.71,-36.368 ccw(c-65.547,-35.497) -65.547,-36.95 R8.2@-65.25,-36.95 ccw(c-65,-36.95) -65,-37.2 -64,-37.2 ccw(c-64,-36.987) -63.788,-36.987 Q2.3@-63.788,-36.5
  Bottom Layer w0.25: v1(-65.75,-26.25) -65.75,-20.207 cw(c-64.043,-20.207) -65.25,-19 -65.235,-18.985 cw(c-63.46,-20.761) -63.46,-18.25 -55.422,-18.25 ccw(c-55.422,-16.75) -53.94,-16.985 ccw(c-55.422,-16.75) -53.922,-16.75 -53.922,-9.046 cw(c-51.382,-9.046) -53.178,-7.25 -52.378,-6.451 ccw(c-53.111,-5.718) U9.4@-52.075,-5.718
NetR3_1: R3.1 U1.1 | length 6.8
  Top Layer w0.25: U1.1@-35.255,-11.088 -34.378,-11.088 cw(c-34.378,-11.466) -34,-11.466 R3.1@-34,-16.793
NetR3_2: R3.2 U2.4 | length 56.1
  Top Layer w0.25: v1(-34,-19.25) R3.2@-34,-18.193 ; v1(-0.263,-25.675) -0.006,-25.419 ; -0.006,-25.418 ccw(c-0.625,-24.8) 0.25,-24.8 0.25,-18.548 ccw(c-2.29,-18.548) -0.494,-16.752 -1,-16.246 cw(c-0.095,-15.341) -1.375,-15.341 -1.375,-12.259 cw(c-1.125,-12.26) -1.371,-12.214 -1.37,-12.212 cw(c0,-12.494) -0.17,-11.105 ccw(c-0.202,-10.857) -0.124,-11.095 U2.4@0,-11.095
  Bottom Layer w0.25: v1(-34,-19.25) cw(c-33.15,-19.25) -33.15,-18.4 -10.478,-18.4 ; -10.478,-18.418 cw(c-10.478,-18.989) -9.907,-18.989 -9.907,-21.716 ccw(c-8.597,-21.716) -8.597,-23.026 -7.552,-23.026 cw(c-7.552,-24.062) -6.818,-23.331 -5.651,-24.498 -5.218,-24.931 -5.216,-24.933 -5.181,-24.968 -5.11,-25.039 ccw(c-4,-23.933) -5.107,-25.042 ccw(c-4,-23.933) -4.653,-25.357 cw(c-4.757,-25.585) -4.651,-25.358 cw(c-4.757,-25.585) -4.638,-25.365 ccw(c-3.422,-23.135) -3.422,-25.675 v1(-0.263,-25.675)
NetR4_1: R4.1 U2.1 | length 7.8
  Top Layer w0.25: U2.1@0,-14.905 0.931,-14.905 ccw(c0.931,-14.604) 1.231,-14.604 1.231,-8.557 R4.1@1.45,-8.338
NetR4_2: R4.2 U3.4 | length 26.1
  Top Layer w0.25: v1(-0.16,-7.375) -0.16,-8.128 ccw(c0.05,-8.128) R4.2@0.05,-8.338
  Bottom Layer w0.25: -2.805,-4.387 ccw(c-1.978,-4.387) -2.561,-4.973 v1(-0.16,-7.375) ; -2.805,-4.386 -2.805,9.199 cw(c-0.91,9.199) -2.299,10.488 cw(c-0.91,9.199) -2.25,10.539 cw(c-1.555,9.82) -1.555,10.82 0.884,10.82 ccw(c0.884,11.787) 1.85,11.787 U3.4@1.85,13
NetR5_1: R5.1 U3.1 | length 2.2
  Top Layer w0.25: U3.1@-1.96,13 cw(c-2.096,12.864) -1.915,12.93 cw(c-2.096,12.864) -1.904,12.864 R5.1@-1.904,10.783
NetR5_2: R5.2 U4.4 | length 83.1
  Top Layer w0.25: v1(-0.69,9.533) -0.69,10.334 cw(c-0.054,10.334) R5.2@-0.504,10.783 ; v1(1.504,-25.675) 1.494,-25.665 cw(c3.29,-23.869) 0.75,-23.869 0.75,-17.106 cw(c3.29,-17.106) 1.494,-15.31 1.498,-15.306 ccw(c0.91,-14.718) 1.741,-14.736 1.741,-10.678 cw(c3.636,-10.678) v1(2.296,-9.338) ; v1(35.25,-18.707) U4.4@35.25,-14.92
  Bottom Layer w0.25: v1(-0.69,9.533) -1.29,9.533 ccw(c-1.29,8.575) -2.249,8.575 -2.249,-3.358 ccw(c0.1,-3.358) -1.561,-5.019 0.29,-6.87 cw(c-1.101,-8.261) 0.305,-6.886 ccw(c0.483,-6.71) 0.309,-6.889 cw(c-0.16,-7.375) 0.316,-6.897 cw(c-0.16,-7.375) 0.318,-6.898 cw(c-0.16,-7.375) 0.353,-6.936 ccw(c0.542,-6.772) 0.355,-6.939 cw(c-1.101,-8.261) 0.866,-8.261 0.866,-8.866 ccw(c1.338,-8.866) 1.338,-9.338 v1(2.296,-9.338) ; v1(1.504,-25.675) 3.656,-25.675 ccw(c3.656,-24.616) 4.259,-25.486 cw(c4.401,-25.693) 4.338,-25.451 ccw(c3.948,-23.933) 5.057,-25.04 5.911,-24.185 6.766,-23.331 cw(c7.5,-24.062) 7.5,-23.026 8.545,-23.026 ccw(c8.545,-21.716) 9.855,-21.716 9.855,-18.707 cw(c10.144,-18.707) 10.144,-18.418 34.552,-18.418 cw(c34.552,-19.406) v1(35.25,-18.707)
NetR6_1: R6.1 U1.4 | length 44
  Top Layer w0.25: R6.1@-65.25,-29.8 -65,-29.55 v1(-65,-27) ; v1@-35.25,-18.75 v1@-35.25,-18.745 ; U1.4@-35.25,-14.903 v1@-35.25,-18.745 ; v1(-35.245,-18.75) v1@-35.25,-18.745
  Bottom Layer w0.25: v1(-65,-27) -65,-20.429 cw(c-63.321,-20.429) -63.321,-18.75 v1(-35.245,-18.75)
NetR9_2: R9.2 U5.15 | length 12.3
  Top Layer w0.25: U5.15@-33.825,-36.85 -33.825,-36.673 cw(c-31.862,-36.673) v1(-33.25,-35.285) ; v1(-30.5,-33.75) R9.2@-25.05,-33.75
  Bottom Layer w0.25: v1(-33.25,-35.285) ccw(c-32.487,-35.285) -32.487,-36.047 -31.263,-36.047 ccw(c-31.263,-35.285) -30.5,-35.285 v1(-30.5,-33.75)
NetR10_2: R10.2 U5.1 | length 19
  Top Layer w0.25: v1(-32.555,-33.7) U5.1@-32.555,-32.15 ; v1(-31.75,-35.285) -31.75,-35.23 ccw(c-31.73,-35.23) -31.73,-35.25 -18.8,-35.25 ccw(c-18.8,-33.7) R10.2@-17.25,-33.7
  Bottom Layer w0.25: v1(-32.555,-33.7) -32.555,-34.48 ccw(c-31.75,-34.48) v1(-31.75,-35.285)
NetR11_2: R11.2 U5.2 | length 25.6
  Top Layer w0.25: v1(-33.825,-33.706) U5.2@-33.825,-32.15 ; v1(-31.146,-36.717) cw(c-30.178,-36.717) -31.143,-36.643 cw(c-30.178,-36.717) -30.178,-35.75 -16.8,-35.75 ccw(c-16.8,-33.7) R11.2@-14.75,-33.7
  Bottom Layer w0.25: v1(-33.825,-33.706) -33.825,-34.328 cw(c-34.422,-34.328) -34,-34.75 ccw(c-33.396,-35.354) -34.25,-35.354 -34.25,-36.047 ccw(c-33.58,-36.047) -33.58,-36.717 v1(-31.146,-36.717)
NetR12_2: R12.2 U5.3 | length 15.6
  Top Layer w0.25: U5.3@-35.095,-32.15 -35.095,-33.7 ccw(c-34.185,-33.7) -34.185,-34.61 -22.831,-34.61 ccw(c-22.831,-34.028) -22.25,-34.028 R12.2@-22.25,-33.7
NetR14_2: R14.2 U5.4 | length 24
  Top Layer w0.25: R14.2@-56.25,-33.7 -56.25,-35.105 ccw(c-55.106,-35.105) -55.106,-36.249 -44.213,-36.249 ; -44.211,-36.249 ccw(c-44.211,-35.033) -43.35,-35.892 -42.708,-35.249 cw(c-41.767,-36.19) -41.767,-34.86 -38.905,-34.86 ccw(c-38.905,-32.32) -36.365,-32.32 U5.4@-36.365,-32.15
NetR15_2: R15.2 U5.5 | length 14
  Top Layer w0.25: -48.75,-34.446 ccw(c-48.445,-34.445) -48.445,-34.75 -45.06,-34.75 v1(-45,-34.69) ; -48.75,-34.445 R15.2@-48.75,-33.7 ; v1(-38.74,-34.01) -37.856,-34.01 ccw(c-37.856,-33.807) -37.713,-33.95 ccw(c-37.9,-33.763) -37.635,-33.763 U5.5@-37.635,-32.15
  Bottom Layer w0.25: v1(-45,-34.69) -44.94,-34.75 -40.528,-34.75 ccw(c-40.528,-32.222) -38.742,-34.011 ccw(c-40.528,-32.222) v1(-38.74,-34.01)
NetR16_2: R16.2 U5.6 | length 8.5
  Top Layer w0.25: R16.2@-46.25,-33.7 -46,-33.95 v1(-43.61,-33.95) ; v1(-40.179,-34.01) -39.319,-33.149 ccw(c-40.318,-32.15) U5.6@-38.905,-32.15
  Bottom Layer w0.25: v1(-43.61,-33.95) -43.58,-33.98 -40.209,-33.98 v1(-40.179,-34.01)
NetR17_2: R17.2 U5.7 | length 16.9
  Top Layer w0.25: R17.2@-53.75,-33.7 -53.75,-34.746 ccw(c-52.747,-34.746) -52.747,-35.749 -44.743,-35.749 ccw(c-44.742,-34.255) -43.912,-35.497 ccw(c-47.613,-29.97) -42.908,-34.672 cw(c-42.11,-35.473) -42.11,-34.342 ccw(c-42.385,-32.15) U5.7@-40.175,-32.15
NetR18_2: R18.2 U6.15 | length 12.4
  Top Layer w0.25: U6.15@39.925,-36.85 39.925,-36.673 cw(c41.888,-36.673) v1(40.5,-35.285) ; v1(43.25,-33.75) 48.7,-33.75 R18.2@48.75,-33.7
  Bottom Layer w0.25: v1(40.5,-35.285) ccw(c41.263,-35.285) 41.263,-36.047 42.487,-36.047 ccw(c42.487,-35.285) 43.25,-35.285 v1(43.25,-33.75)
NetR19_2: R19.2 U6.1 | length 18.7
  Top Layer w0.25: v1(41.195,-33.7) U6.1@41.195,-32.15 ; v1(42,-35.285) 42,-35.23 ccw(c42.02,-35.23) 42.02,-35.25 54.365,-35.25 ccw(c54.365,-33.128) 55.865,-34.628 ccw(c54.937,-33.7) R19.2@56.25,-33.7
  Bottom Layer w0.25: v1(41.195,-33.7) 41.195,-34.48 ccw(c42,-34.48) v1(42,-35.285)
NetR20_2: R20.2 U6.2 | length 25.4
  Top Layer w0.25: v1(39.925,-33.706) U6.2@39.925,-32.15 ; v1(42.604,-36.717) cw(c43.572,-36.717) 42.607,-36.643 cw(c43.572,-36.717) 43.572,-35.75 56.363,-35.75 ccw(c56.363,-33.219) 58.255,-34.9 ccw(c57.061,-33.706) 58.75,-33.706 R20.2@58.75,-33.7
  Bottom Layer w0.25: v1(39.925,-33.706) ccw(c39.925,-34.131) 39.5,-34.131 39.5,-36.047 ccw(c40.17,-36.047) 40.17,-36.717 v1(42.604,-36.717)
NetR21_2: R21.2 U6.3 | length 15.5
  Top Layer w0.25: U6.3@38.655,-32.15 38.655,-33.7 ccw(c39.565,-33.7) 39.565,-34.61 50.919,-34.61 ccw(c50.919,-34.23) 51.298,-34.23 51.298,-33.748 ccw(c51.25,-33.748) R21.2@51.25,-33.7
NetR22_2: R22.2 U6.4 | length 23.4
  Top Layer w0.25: R22.2@17.25,-33.7 17.25,-33.706 ccw(c18.939,-33.706) 17.745,-34.9 17.85,-35.006 ccw(c19.646,-33.21) 18.133,-35.25 ccw(c19.646,-33.21) 19.646,-35.75 29.812,-35.75 ccw(c29.812,-32.71) 30.628,-35.639 ccw(c29.812,-32.71) 31.628,-35.148 cw(c29.812,-32.71) 31.429,-35.285 ccw(c29.812,-32.71) 31.826,-34.987 ; 31.827,-34.987 cw(c31.991,-35.175) 31.87,-34.956 ; U6.4@37.385,-32.15 37.385,-32.19 cw(c34.845,-32.19) 36.401,-34.197 cw(c34.845,-32.19) 34.845,-34.73 32.768,-34.73 ccw(c32.768,-36.624) 31.871,-34.956 ; 31.87,-34.956 31.871,-34.956
NetR23_2: R23.2 U6.5 | length 13.1
  Top Layer w0.25: R23.2@24.75,-33.7 25.338,-33.7 cw(c25.338,-34.645) 26.005,-33.977 ccw(c27.446,-32.536) 27.446,-34.573 v1(29.89,-34.573) ; v1(35.75,-33.7) ccw(c34.869,-32.819) 36.115,-32.819 U6.5@36.115,-32.15
  Bottom Layer w0.25: v1(29.89,-34.573) 33.825,-34.573 ccw(c33.825,-32.033) 35.621,-33.829 v1(35.75,-33.7)
NetR24_2: R24.2 U6.6 | length 9
  Top Layer w0.25: R24.2@27.25,-33.7 R24.2@27.5,-33.7 30.88,-33.7 cw(c30.88,-33.87) v1(31,-33.75) ; v1(34.5,-33.75) ccw(c33.667,-32.917) 34.845,-32.917 U6.6@34.845,-32.15
  Bottom Layer w0.25: v1(31,-33.75) v1(34.5,-33.75)
NetR25_2: R25.2 U6.7 | length 16.3
  Top Layer w0.25: R25.2@19.75,-33.7 ccw(c21.063,-33.7) 20.135,-34.628 ccw(c21.635,-33.128) 21.635,-35.25 29.812,-35.25 ccw(c29.812,-32.71) 31.326,-34.75 31.442,-34.633 cw(c32.433,-35.624) 31.663,-34.454 cw(c32.433,-35.624) 31.905,-34.326 cw(c32.433,-35.624) 32.291,-34.23 ccw(c32.291,-33.365) 32.399,-34.223 ccw(c32.291,-33.365) 32.457,-34.214 ccw(c32.291,-33.365) 32.902,-33.977 33.179,-33.7 ccw(c31.847,-32.599) 33.561,-32.821 cw(c33.808,-32.855) 33.571,-32.775 cw(c33.808,-32.855) 33.575,-32.765 U6.7@33.575,-32.15
NetU5_9: U5.9 U6.14 | length 89.3
  Top Layer w0.25: U5.9@-41.445,-36.85 ccw(c-41.445,-38.113) -42.708,-38.113 -42.708,-39.585 ccw(c-41.07,-39.585) -42.243,-40.728 ccw(c-41.07,-39.585) -41.07,-41.223 ccw(c-40.701,-38.71) -40.701,-41.25 -32.921,-41.25 ; -32.92,-41.25 ccw(c-32.92,-40.397) -32.317,-41 cw(c-31.713,-41.604) -31.713,-40.75 -7.671,-40.75 -6.321,-40.753 -5.59,-40.753 cw(c-5.592,-42.078) -4.653,-41.144 -4.243,-41.553 ccw(c-2.566,-39.883) -2.566,-42.25 1.664,-42.25 ccw(c1.664,-39.71) 3.177,-41.75 ccw(c1.664,-39.71) 3.46,-41.506 3.981,-40.985 cw(c5.756,-42.761) 5.756,-40.25 36.115,-40.25 ccw(c36.115,-37.71) 38.655,-37.71 U6.14@38.655,-36.85
NetU9_2: U9.2 U10.4 | length 12.1
  Bottom Layer w0.25: U10.4@-57.714,2.519 ccw(c-56.419,1.225) -58.25,1.225 -58.25,0.409 ccw(c-56.512,0.409) -57.741,-0.82 -56.978,-1.583 cw(c-58.326,-2.931) -56.977,-1.584 cw(c-58.326,-2.931) -56.419,-2.931 -56.419,-3.833 ccw(c-53.879,-3.833) -55.8,-5.495 ccw(c-53.879,-3.833) -55.675,-5.629 -55.586,-5.718 ccw(c-54.541,-4.48) -54.541,-6.1 ; -54.54,-6.1 ccw(c-54.539,-5.076) -53.843,-5.827 cw(c-53.674,-6.011) -53.768,-5.779 cw(c-53.453,-6.556) -53.453,-5.718 -53.452,-5.718 U9.2@-52.925,-5.718
NetU10_2: U10.2 U11.4 | length 12.5
  Bottom Layer w0.25: U10.2@-57.289,3.256 ccw(c-58.04,4.007) -56.978,4.007 -56.978,4.074 cw(c-55.527,4.074) -56.553,5.1 cw(c-55.511,4.059) -55.511,5.531 -49.621,5.531 cw(c-49.621,3.827) -48.415,5.032 cw(c-49.441,4.006) -47.99,4.006 -47.99,3.939 ccw(c-46.928,3.939) U11.4@-47.679,3.188
NetU13_2: U13.2 U14.4 | length 12.1
  Bottom Layer w0.25: U14.4@-23.214,2.519 ccw(c-21.919,1.225) -23.75,1.225 -23.75,0.409 ccw(c-22.012,0.409) -23.241,-0.82 -22.478,-1.583 cw(c-23.826,-2.931) -22.477,-1.584 cw(c-23.826,-2.931) -21.919,-2.931 -21.919,-3.833 ccw(c-19.379,-3.833) -21.3,-5.495 ccw(c-19.379,-3.833) -21.175,-5.629 -21.086,-5.718 ccw(c-20.041,-4.48) -20.041,-6.1 ccw(c-20.039,-5.076) -19.343,-5.827 cw(c-19.174,-6.011) -19.268,-5.779 cw(c-18.953,-6.556) -18.953,-5.718 -18.952,-5.718 U13.2@-18.425,-5.718
NetU14_2: U14.2 U15.4 | length 12.5
  Bottom Layer w0.25: U14.2@-22.789,3.256 ccw(c-23.54,4.007) -22.478,4.007 -22.478,4.074 cw(c-21.027,4.074) -22.053,5.1 cw(c-21.011,4.059) -21.011,5.531 -15.121,5.531 cw(c-15.121,3.827) -13.915,5.032 cw(c-14.941,4.006) -13.49,4.006 -13.49,3.939 ccw(c-12.428,3.939) U15.4@-13.179,3.188
NetU17_2: U17.2 U18.4 | length 12.1
  Bottom Layer w0.25: U18.4@12.786,2.519 ccw(c14.081,1.225) 12.25,1.225 12.25,0.409 ccw(c13.988,0.409) 12.759,-0.82 13.522,-1.583 cw(c12.174,-2.931) 13.523,-1.584 cw(c12.174,-2.931) 14.081,-2.931 14.081,-3.833 ccw(c16.621,-3.833) 14.7,-5.495 ccw(c16.621,-3.833) 14.825,-5.629 14.914,-5.718 ccw(c15.959,-4.48) 15.959,-6.1 ; 15.96,-6.1 ccw(c15.961,-5.076) 16.657,-5.827 cw(c16.826,-6.011) 16.732,-5.779 cw(c17.047,-6.556) 17.047,-5.718 17.048,-5.718 U17.2@17.575,-5.718
NetU18_2: U18.2 U19.4 | length 12.5
  Bottom Layer w0.25: U18.2@13.211,3.256 ccw(c12.46,4.007) 13.522,4.007 13.522,4.074 cw(c14.973,4.074) 13.947,5.1 cw(c14.989,4.059) 14.989,5.531 20.879,5.531 cw(c20.879,3.827) 22.085,5.032 cw(c21.059,4.006) 22.51,4.006 22.51,3.939 ccw(c23.572,3.939) U19.4@22.821,3.188
NetU21_2: U21.2 U22.4 | length 12.1
  Bottom Layer w0.25: U22.4@47.293,2.519 ccw(c48.587,1.225) 46.756,1.225 46.756,0.409 ccw(c48.494,0.409) 47.266,-0.82 48.029,-1.583 cw(c46.681,-2.931) 48.03,-1.584 cw(c46.681,-2.931) 48.587,-2.931 48.587,-3.833 ccw(c51.127,-3.833) 49.206,-5.495 ccw(c51.127,-3.833) 49.331,-5.629 49.42,-5.718 ccw(c50.465,-4.48) 50.465,-6.1 ; 50.466,-6.1 ccw(c50.467,-5.076) 51.164,-5.827 cw(c51.333,-6.011) 51.238,-5.779 cw(c51.553,-6.556) 51.553,-5.718 51.555,-5.718 U21.2@52.081,-5.718
NetU21_4: U21.4
NetU22_2: U22.2 U23.4 | length 12.5
  Bottom Layer w0.25: U22.2@47.718,3.256 ccw(c46.967,4.007) 48.029,4.007 48.029,4.074 cw(c49.48,4.074) 48.454,5.1 cw(c49.495,4.059) 49.495,5.531 55.386,5.531 cw(c55.386,3.827) 56.591,5.032 cw(c55.565,4.006) 57.016,4.006 57.016,3.939 ccw(c58.078,3.939) U23.4@57.327,3.188
SIPO_CLK: P2.1 U5.11 U6.11 | length 80.6
  Top Layer w0.25: U5.11@-38.905,-36.85 -38.905,-36.105 -38.74,-35.941 v1(-38.74,-35.53) ; v1(-38.74,-39.25) cw(c-37.533,-40.457) -37.533,-38.75 -34.823,-38.75 -6.5,-38.75 -0.631,-38.75 -0.461,-38.75 ccw(c-0.461,-36.599) 1.06,-38.12 1.106,-38.074 cw(c2.54,-39.508) P2.1@2.54,-37.48 3.455,-37.48 cw(c3.455,-39.666) 5,-38.12 ccw(c6.521,-36.599) 6.52,-38.75 9.031,-38.75 32.945,-38.75 ccw(c32.945,-36.85) U6.11@34.845,-36.85
  Bottom Layer w0.25: v1(-38.74,-39.25) v1(-38.74,-35.53)
SIPO_CLR: P2.5 U5.10 U6.10 | length 76.6
  Top Layer w0.25: U5.10@-40.175,-36.85 ccw(c-38.775,-36.85) -38.775,-38.25 -38.743,-38.25 -6.5,-38.25 -6.247,-38.25 ccw(c-6.247,-36.543) -5.04,-37.75 cw(c-4.388,-38.402) -4.388,-37.48 P2.5@-2.54,-37.48 ; v1(4.702,-36.954) 5.254,-37.506 ccw(c7.05,-35.71) 7.05,-38.25 9.185,-38.25 32.175,-38.25 ccw(c32.175,-36.85) U6.10@33.575,-36.85
  Bottom Layer w0.25: P2.5@-2.54,-37.48 -2.014,-36.954 cw(c-0.218,-38.75) -0.218,-36.21 2.906,-36.21 cw(c2.906,-38.75) v1(4.702,-36.954)
SIPO_DATA: P2.2 U5.14 | length 44.5
  Top Layer w0.25: U5.14@-35.095,-36.85 -35.095,-35.724 -34.925,-35.554 v1(-34.925,-35.46) ; v1(-34.25,-40.425) -32.761,-40.425 ccw(c-32.761,-40.175) -32.64,-40.394 -32.438,-40.281 cw(c-32.317,-40.5) -32.318,-40.25 -7.67,-40.25 -6.319,-40.253 -5.592,-40.253 cw(c-5.592,-42.078) -5.511,-40.255 cw(c-5.592,-42.078) -4.302,-40.787 ; -4.302,-40.787 -3.889,-41.2 ccw(c-2.566,-39.883) -2.566,-41.75 -0.242,-41.75 ccw(c-0.242,-39.21) 1.554,-41.006 P2.2@2.54,-40.02
  Bottom Layer w0.25: v1(-34.925,-35.46) -34.925,-36.287 ccw(c-33.209,-36.287) -34.611,-37.276 cw(c-35.483,-38.148) -34.456,-37.466 cw(c-35.483,-38.148) -34.25,-38.148 v1(-34.25,-40.425)
SIPO_OE: P2.4 R13.1 U5.13 U6.13 | length 87.1
  Top Layer w0.25: R13.1@-40.05,-39.901 -39.836,-40.116 -36.773,-40.116 v1(-36.732,-40.075) cw(c-35.948,-40.86) -35.948,-39.75 -34.753,-39.75 -6.5,-39.75 -5.601,-39.75 cw(c-5.601,-42.088) -4.328,-40.127 cw(c-5.592,-42.078) -3.949,-40.434 ; U5.13@-36.365,-36.85 v1(-36.365,-35.473) ; -3.947,-40.435 -3.532,-40.85 ccw(c-2.566,-39.883) -2.566,-41.25 -2.282,-41.25 ccw(c-2.282,-38.71) -0.486,-40.506 P2.4@0,-40.02 0.583,-39.437 cw(c2.241,-41.094) 2.241,-38.75 2.773,-38.75 cw(c2.773,-40.457) 3.981,-39.25 ccw(c5.188,-38.043) 5.188,-39.75 6.645,-39.75 34.845,-39.75 ccw(c34.845,-37.21) 37.385,-37.21 U6.13@37.385,-36.85
  Bottom Layer w0.25: v1(-36.732,-40.075) -36.732,-36.36 cw(c-35.478,-36.36) v1(-36.365,-35.473)
SIPO_RCLK: P2.6 U5.12 U6.12 | length 81.7
  Top Layer w0.25: v1(-37.713,-39.441) cw(c-37.252,-39.901) -37.252,-39.25 -35.098,-39.25 -6.5,-39.25 -4.362,-39.25 cw(c-4.362,-41.79) -2.566,-39.994 P2.6@-2.54,-40.02 ; U5.12@-37.635,-36.85 -37.635,-36.136 cw(c-36.732,-36.136) v1(-37.371,-35.497) ; v1(3.981,-38.402) 4.085,-38.506 ccw(c5.881,-36.71) 5.88,-39.25 ; 5.881,-39.25 6.645,-39.25 33.715,-39.25 ccw(c33.715,-36.85) U6.12@36.115,-36.85
  Bottom Layer w0.25: v1(-37.713,-39.441) -37.746,-39.25 -37.746,-36.405 cw(c-36.463,-36.405) v1(-37.371,-35.497) ; P2.6@-2.54,-40.02 -2.014,-39.494 cw(c-0.218,-41.29) -0.218,-38.75 3.14,-38.75 ccw(c3.14,-37.561) v1(3.981,-38.402)
pads on no net: "J3_ xx:xM_Hx:xx.7" "J3_ xx:xM_Hx:xx.10" "J3_ xx:xM_Hx:xx.13" "J3_ xx:xM_Hx:xx.hole1" "J3_ xx:xM_xH:xx.7" "J3_ xx:xM_xH:xx.10" "J3_ xx:xM_xH:xx.13" "J3_ xx:xM_xH:xx.hole1" "J3_ xx:xM_xx:Mx.7" "J3_ xx:xM_xx:Mx.10" "J3_ xx:xM_xx:Mx.13" "J3_ xx:xM_xx:Mx.hole1" "J3_ xx:xM_xx:xM.7" "J3_ xx:xM_xx:xM.10" "J3_ xx:xM_xx:xM.13" "J3_ xx:xM_xx:xM.hole1" P3.1 P3.2 P3.3 P3.4 P3.5 P3.6 U4.1 U6.9

## Polygon pours and split planes (outlines as drawn)
GND on Bottom Layer "GND_L02_P000" (solid, remove dead copper, pour order 0): -75,-20.429 76.25,-20.429 76.25,-45 -75,-45
GND on Top Layer "GND_L01_P001" (solid, remove dead copper, pour order 1): -75,-20.429 76.25,-20.429 76.25,-45 -75,-45

## Other copper
Bottom Layer:
  pour cut-out: -66,-20 -61.5,-20 -61.5,-23.25 -66,-23.25
  pour cut-out: 32.25,-20.125 41.25,-20.125 41.25,-23.375 32.25,-23.375
  pour cut-out: -41.25,-20 -32.25,-20 -32.25,-23.25 -41.25,-23.25

## Silkscreen, mask and mechanical layers (free items; w line width, h text height)
Top Overlay:
  drawing of 3611 lines, arcs and shapes, not listed
  text "Nixie" at 65.082,-11.442 h3
  text "Hx:xx" at -58.23,-19.5 h3.5
  text "xH:xx" at -23.65,-19.5 h3.5
  text "xx:Mx" at 12.032,-19.5 h3.5
  text "xx:xM" at 46.72,-19.5 h3.5
  text "Clock" at 65.116,-20.213 h3
  text "D" at 64.461,-34.294 h0.8
  text "REV..prj_pcb" at 62.7,-37.128 h1.2 r90
  text "B" at 64.461,-37.296 h0.8
  text "DB Home" at 15.148,-38.001 h4
  text ".prj_name / .prj_status" at -26.5,-41.25 h2.5
  text "System" at 16,-41.5 h4
Bottom Overlay:
  drawing of 3587 lines, arcs and shapes, not listed
  text "Nixie" at -30.843,-26.162 h5
  text "xx:xM" at -47.268,-27 h3.5
  text "xx:Mx" at -12.635,-27 h3.5
  text "xH:xx" at 23.182,-27 h3.5
  text "Hx:xx" at 57.682,-27 h3.5
  text "DB Home" at 43.219,-27.25 h4
  text "REV..prj_pcb" at 62.648,-38.528 h1.2 r270
  text ".prj_name / .prj_status" at -5.5,-41 h2.5
  text "Clock" at -30.725,-42.197 h5
  text "System" at 42.219,-42.25 h4